# Altium PCB sinking-clock_Brain-PCB_RigFlex-test.PcbDoc
Units mm, origin at the board's own origin, x right, y up, seen from the top; angles counter-clockwise.
Board outline 129.71 x 89 mm, 2 copper layers (Top Layer, Bottom Layer); 72 components, 38 nets, 225 pads, 55 vias.
Unrouted connection lines stored in the file: 1.
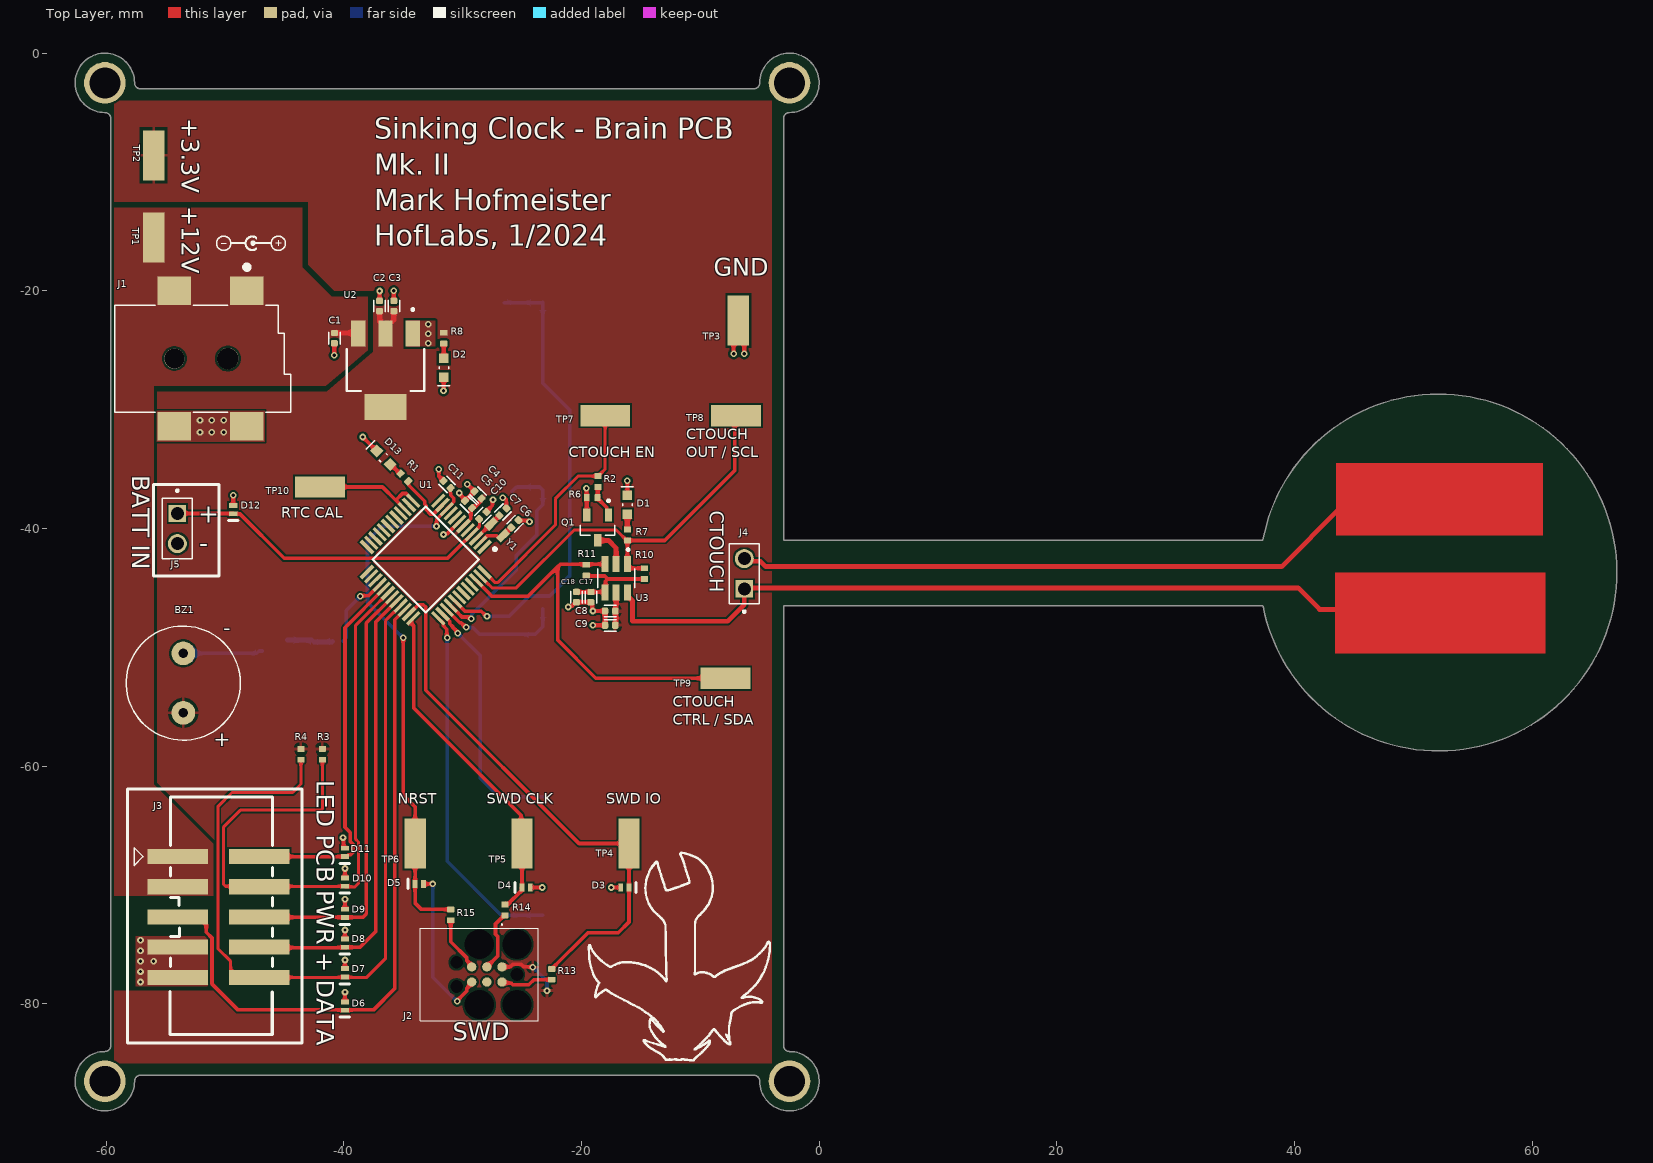
[diagram p0: Top Layer view]
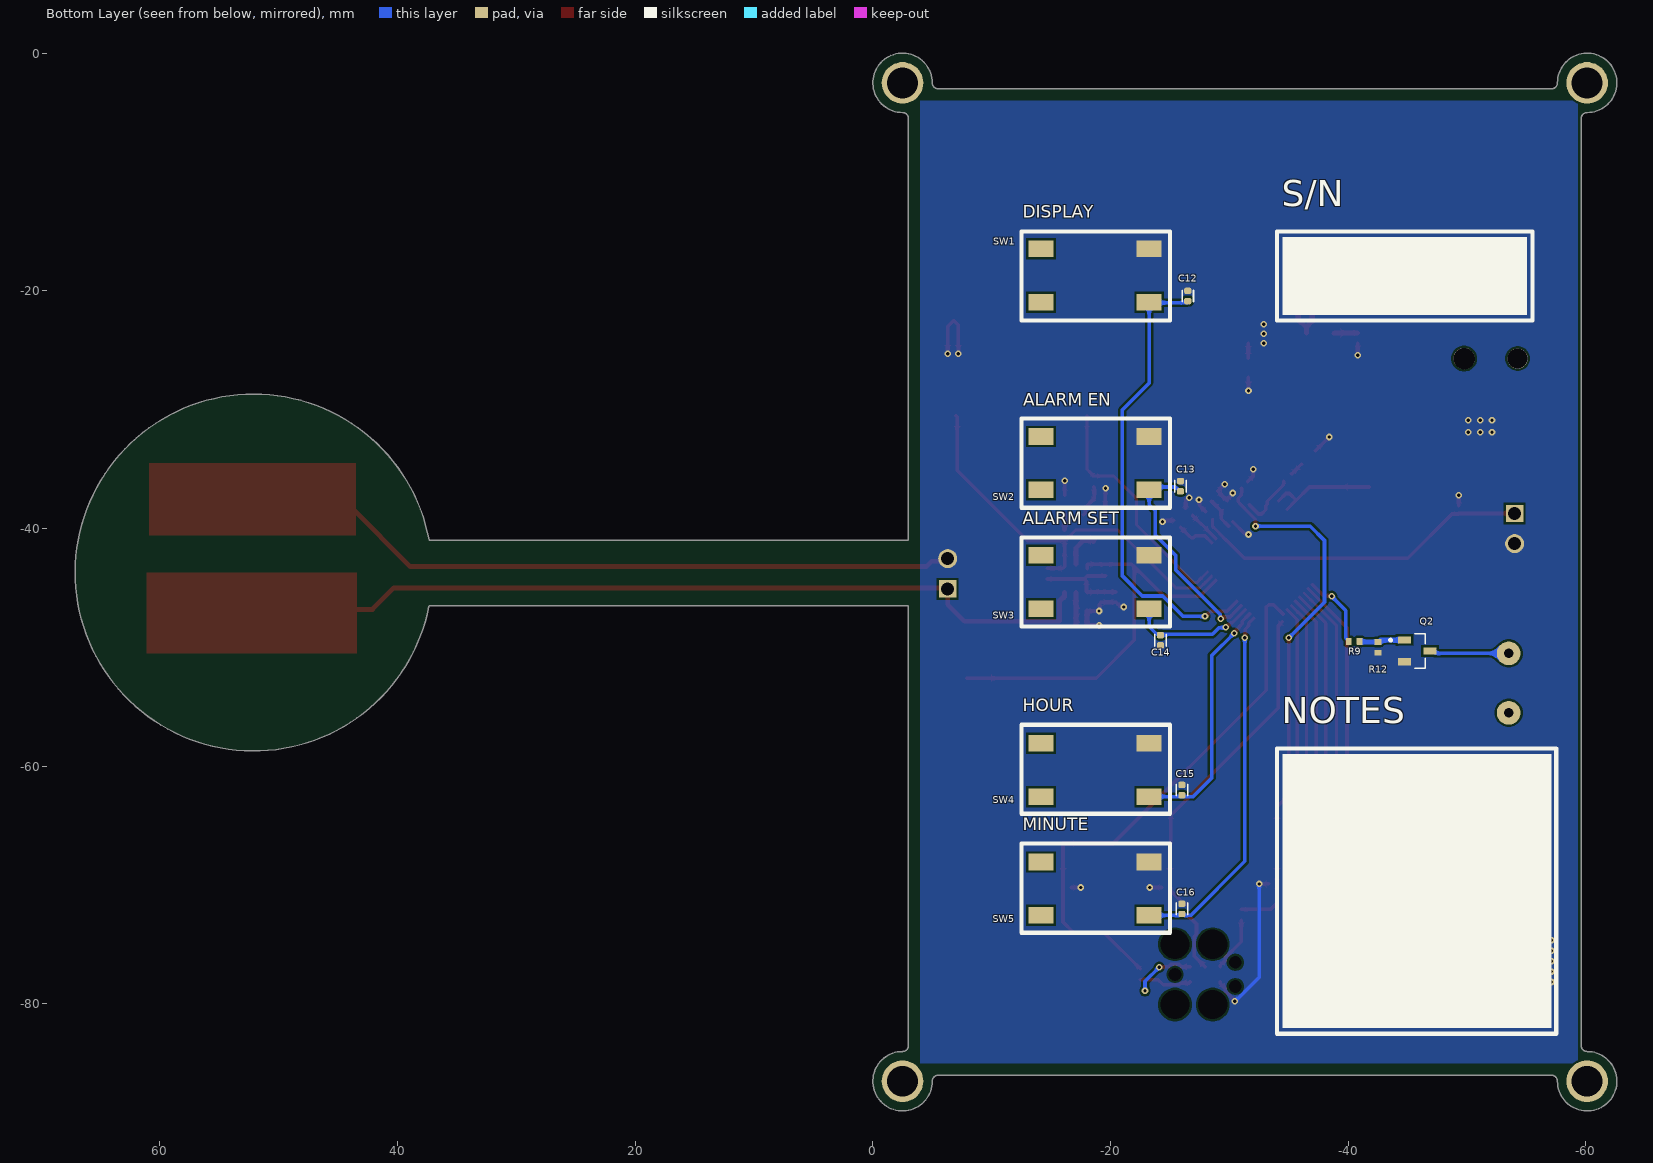
[diagram p1: Bottom Layer view, seen from below]
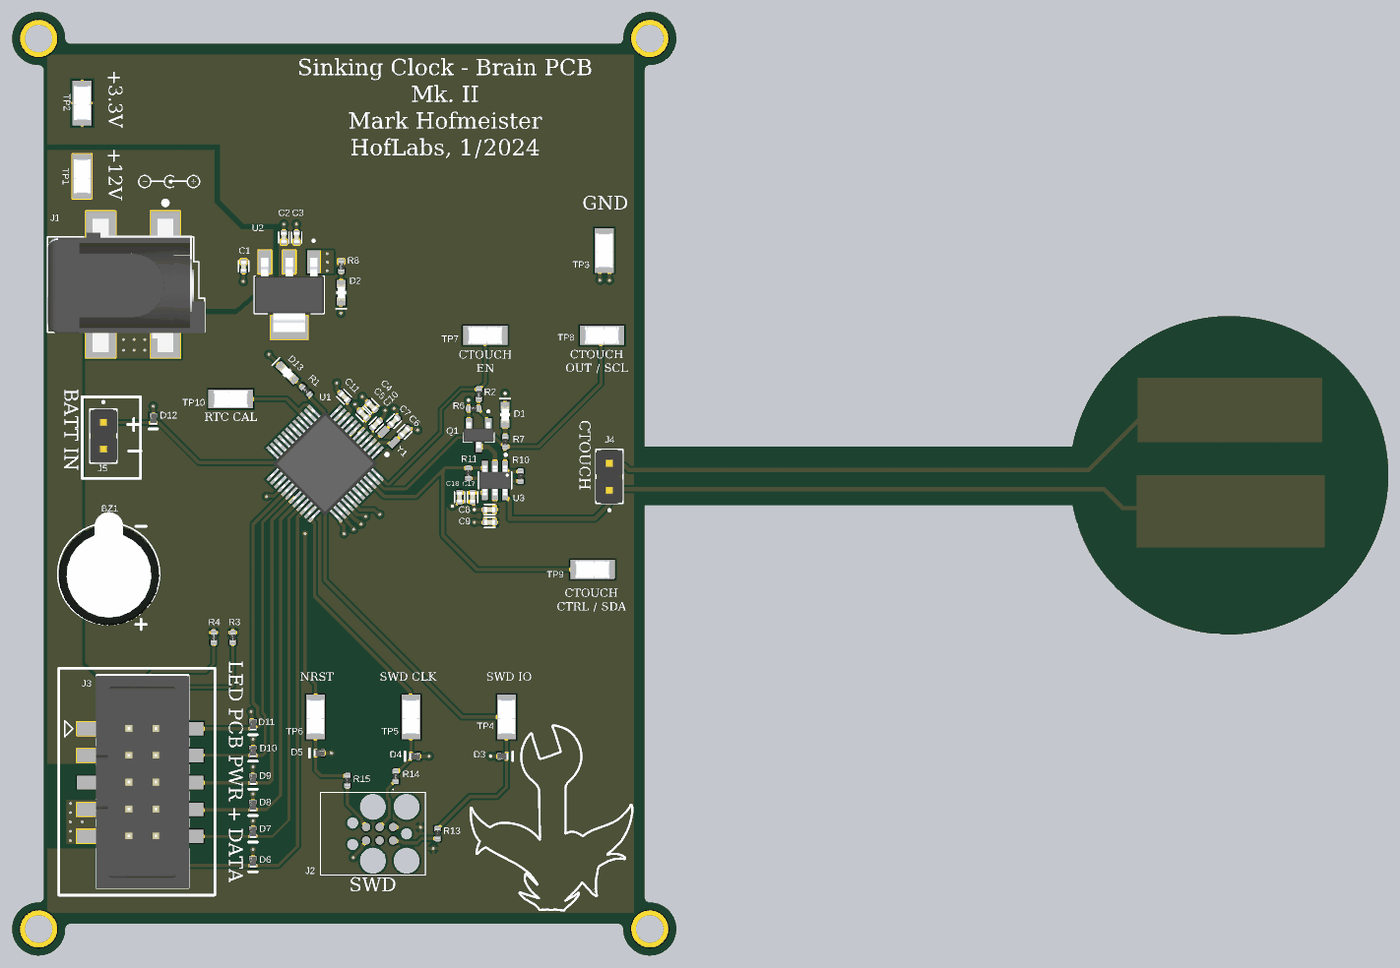
[diagram p2: 3D render of the assembled board from above, using the file's embedded part models]
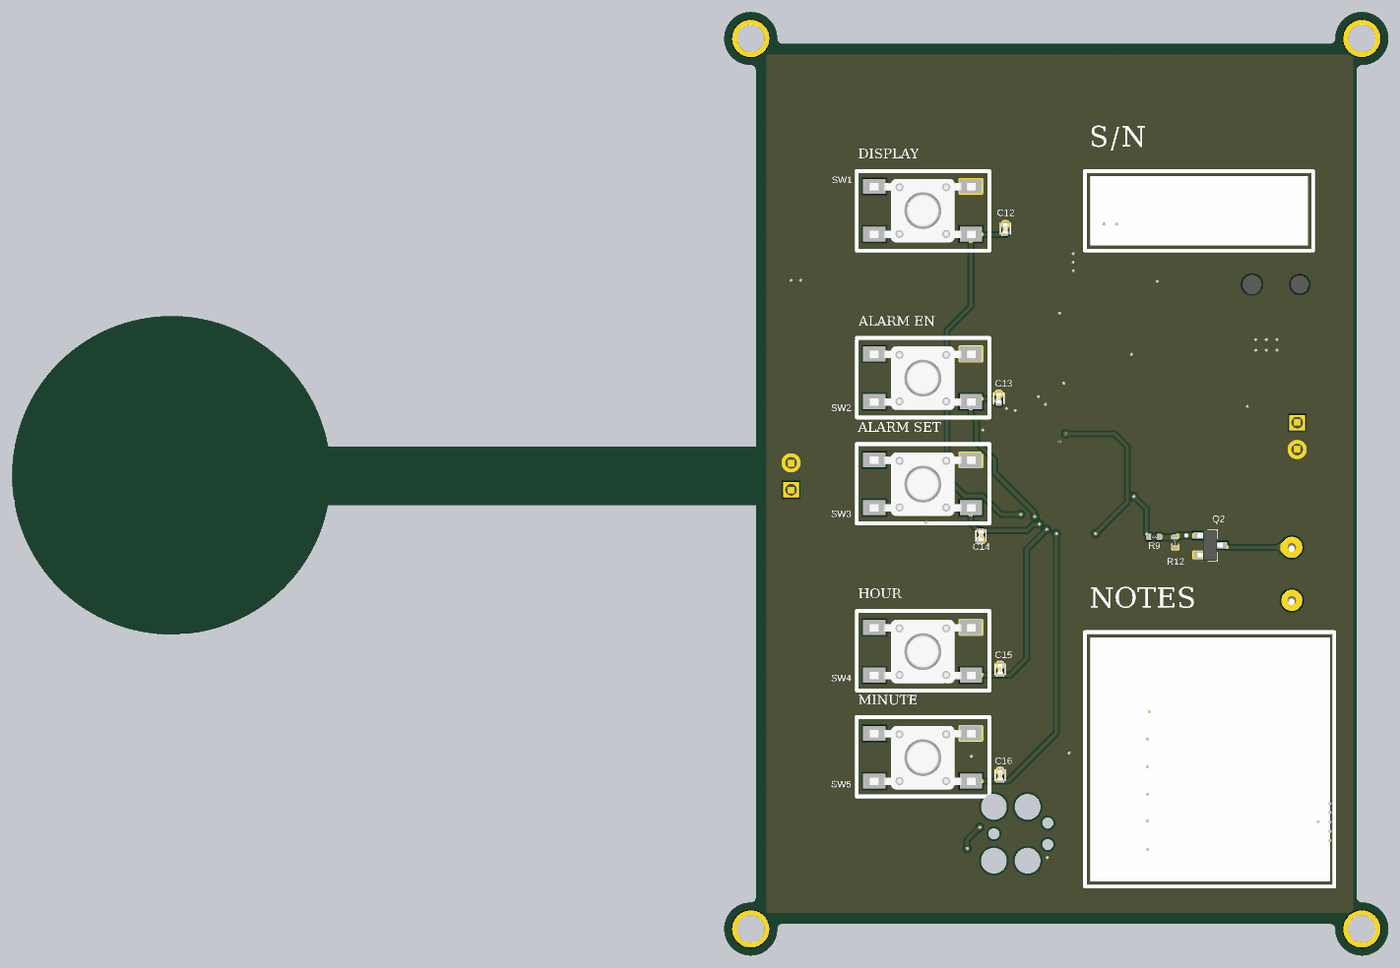
[diagram p3: 3D render of the assembled board from below, using the file's embedded part models]

## Layer stack, top to bottom
Flex Top Coverlay: solder mask 0.0254, SM-001, Dk 4
Flex Top Coverlay: solder mask 0.012, FC-001, Dk 4
Top Layer: signal copper 0.0356
Dielectric 1: dielectric 0.32, FR-4, Dk 4.8
Bottom Layer: signal copper 0.0356
Board Layer Stack Bottom Solder: solder mask 0.012, FC-001, Dk 4
Board Layer Stack Bottom Solder: solder mask 0.0254, SM-001, Dk 4

## Board outline
-60.1,-84 ccw(c-60.1,-86.5) -57.6,-86.5 cw(c-57.1,-86.5) -57.1,-86 -5.5,-86 cw(c-5.5,-86.5) -5,-86.5 ccw(c-2.5,-86.5) -2.5,-84 cw(c-2.5,-83.5) -3,-83.5 -3,-46.5 37.297,-46.5 37.362,-46.565 ccw(c52.1,-43.7) 37.337,-40.964 37.301,-41 -3,-41 -3,-5.5 cw(c-2.5,-5.5) -2.5,-5 ccw(c-2.5,-2.5) -5,-2.5 cw(c-5.5,-2.5) -5.5,-3 -57.1,-3 cw(c-57.1,-2.5) -57.6,-2.5 ccw(c-60.1,-2.5) -60.1,-5 cw(c-60.1,-5.5) -59.6,-5.5 -59.6,-83.5 cw(c-60.1,-83.5)
board region Flex: -2.9,-41 37.301,-41 37.337,-40.964 37.45,-40.358 37.773,-39.168 38.193,-38.009 38.706,-36.889 39.309,-35.814 39.999,-34.792 40.769,-33.83 41.616,-32.934 42.534,-32.111 43.516,-31.366 44.556,-30.704 45.646,-30.13 46.78,-29.646 47.95,-29.258 49.148,-28.966 50.365,-28.774 51.595,-28.682 52.827,-28.691 54.055,-28.801 55.27,-29.011 56.463,-29.321 57.627,-29.727 58.753,-30.227 59.835,-30.817 60.865,-31.495 61.836,-32.254 62.742,-33.091 63.575,-33.999 64.332,-34.972 65.006,-36.004 65.593,-37.087 66.09,-38.216 66.493,-39.381 66.798,-40.575 67.005,-41.79 67.111,-43.018 67.117,-44.251 67.021,-45.48 66.825,-46.697 66.53,-47.894 66.137,-49.062 65.651,-50.195 65.073,-51.283 64.408,-52.321 63.66,-53.301 62.834,-54.216 61.936,-55.06 60.971,-55.828 59.948,-56.515 58.871,-57.115 57.749,-57.625 56.588,-58.041 55.398,-58.36 54.185,-58.581 52.958,-58.702 51.726,-58.722 50.496,-58.641 49.277,-58.459 48.076,-58.178 46.903,-57.799 45.765,-57.326 44.67,-56.761 43.624,-56.108 42.636,-55.372 41.711,-54.557 40.856,-53.669 40.077,-52.713 39.378,-51.698 38.766,-50.628 38.243,-49.512 37.813,-48.356 37.479,-47.17 37.362,-46.565 37.297,-46.5 -2.9,-46.5
board region "Layer Stack Region 1": -2.9,-46.5 -3,-46.5 -3,-83.5 -2.99,-83.598 -2.916,-83.778 -2.778,-83.916 -2.598,-83.99 -2.5,-84 -2.254,-84 -1.771,-84.096 -1.316,-84.285 -0.906,-84.558 -0.558,-84.906 -0.285,-85.316 -0.096,-85.771 0,-86.254 0,-86.746 -0.096,-87.229 -0.285,-87.684 -0.558,-88.094 -0.906,-88.442 -1.316,-88.715 -1.771,-88.904 -2.254,-89 -2.746,-89 -3.229,-88.904 -3.684,-88.715 -4.094,-88.442 -4.442,-88.094 -4.715,-87.684 -4.904,-87.229 -5,-86.746 -5,-86.5 -5.01,-86.402 -5.084,-86.222 -5.222,-86.084 -5.402,-86.01 -5.5,-86 -57.1,-86 -57.198,-86.01 -57.378,-86.084 -57.516,-86.222 -57.59,-86.402 -57.6,-86.5 -57.6,-86.746 -57.696,-87.229 -57.885,-87.684 -58.158,-88.094 -58.506,-88.442 -58.916,-88.715 -59.371,-88.904 -59.854,-89 -60.346,-89 -60.829,-88.904 -61.284,-88.715 -61.694,-88.442 -62.042,-88.094 -62.315,-87.684 -62.504,-87.229 -62.6,-86.746 -62.6,-86.254 -62.504,-85.771 -62.315,-85.316 -62.042,-84.906 -61.694,-84.558 -61.284,-84.285 -60.829,-84.096 -60.346,-84 -60.1,-84 -60.002,-83.99 -59.822,-83.916 -59.684,-83.778 -59.61,-83.598 -59.6,-83.5 -59.6,-5.5 -59.61,-5.402 -59.684,-5.222 -59.822,-5.084 -60.002,-5.01 -60.1,-5 -60.346,-5 -60.829,-4.904 -61.284,-4.715 -61.694,-4.442 -62.042,-4.094 -62.315,-3.684 -62.504,-3.229 -62.6,-2.746 -62.6,-2.254 -62.504,-1.771 -62.315,-1.316 -62.042,-0.906 -61.694,-0.558 -61.284,-0.285 -60.829,-0.096 -60.346,0 -59.854,0 -59.371,-0.096 -58.916,-0.285 -58.506,-0.558 -58.158,-0.906 -57.885,-1.316 -57.696,-1.771 -57.6,-2.254 -57.6,-2.5 -57.59,-2.598 -57.516,-2.778 -57.378,-2.916 -57.198,-2.99 -57.1,-3 -5.5,-3 -5.402,-2.99 -5.222,-2.916 -5.084,-2.778 -5.01,-2.598 -5,-2.5 -5,-2.254 -4.904,-1.771 -4.715,-1.316 -4.442,-0.906 -4.094,-0.558 -3.684,-0.285 -3.229,-0.096 -2.746,0 -2.254,0 -1.771,-0.096 -1.316,-0.285 -0.906,-0.558 -0.558,-0.906 -0.285,-1.316 -0.096,-1.771 0,-2.254 0,-2.746 -0.096,-3.229 -0.285,-3.684 -0.558,-4.094 -0.906,-4.442 -1.316,-4.715 -1.771,-4.904 -2.254,-5 -2.5,-5 -2.598,-5.01 -2.778,-5.084 -2.916,-5.222 -2.99,-5.402 -3,-5.5 -3,-41 -2.9,-41

## Design rules (kind name [scope] priority, off if disabled: settings)
Clearance [All] p1: gap=0.178 ignorepadtopadclearanceinfootprint=FALSE except(0: Arc-Hole Track-Hole SMDPad-Hole THPad-Hole Via-Hole Fill-Hole Poly-Hole Region-Hole Text-Hole)
DiffPairsRouting [All] p1: maxlimit=0.254 minlimit=0.254 mostfreqgap=0.254 toplayer_minwidth=0.381 toplayer_maxwidth=0.381 toplayer_prefwidth=0.381 bottomlayer_minwidth=0.381 bottomlayer_maxwidth=0.381 bottomlayer_prefwidth=0.381 substack1={4D9DF745-3586-4407-82A4-C146782F3BE7} toplayer_{4d9df745-3586-4407-82a4-c146782f3be7}_minwidth=0.381 toplayer_{4d9df745-3586-4407-82a4-c146782f3be7}_maxwidth=0.381 toplayer_{4d9df745-3586-4407-82a4-c146782f3be7}_prefwidth=0.381 bottomlayer_{4d9df745-3586-4407-82a4-c146782f3be7}_minwidth=0.381 bottomlayer_{4d9df745-3586-4407-82a4-c146782f3be7}_maxwidth=0.381 bottomlayer_{4d9df745-3586-4407-82a4-c146782f3be7}_prefwidth=0.381 maxuncoupledlength=12.7
HoleSize [All] p1: absolutevalues=TRUE maxlimit=2.7 minlimit=0.152 maxpercent=80.000 minpercent=20.000
MinimumSolderMaskSliver [All] p1: minsoldermaskwidth=0.025
PolygonConnect PolygonConnect_3 [InNet('GND') vs InNet('GND')] p1: connectstyle=Direct reliefconductorwidth=0.254 reliefentries=4 polygonreliefangle="90 Angle" airgapwidth=0.254
PolygonConnect PolygonConnect_2 [InNet('+12')] p2: connectstyle=Direct reliefconductorwidth=0.254 reliefentries=4 polygonreliefangle="90 Angle" airgapwidth=0.254
PolygonConnect PolygonConnect_1 [InNet('VCC') vs InComponent('U2') OR InComponent('R8') OR InComponent('C2') OR InComponent('C3')] p3: connectstyle=Direct reliefconductorwidth=0.254 reliefentries=4 polygonreliefangle="90 Angle" airgapwidth=0.254
PolygonConnect [All] p4: connectstyle=Relief reliefconductorwidth=0.254 reliefentries=4 polygonreliefangle="90 Angle" airgapwidth=0.254
RoomDefinition PWR [InComponentClass('PWR')] p1: confinementstyle=ConfineIn formatcopy=TRUE lockcomponents=FALSE outline -59.779,-33.129 -59.779,-17.356 -57.329,-17.356 -57.329,-12.871 -57.329,-5.971 -54.671,-5.971 -54.671,-12.871 -54.671,-17.356 -43.921,-17.356 -43.921,-20.145 -34.966,-20.145 -34.966,-21.12 -32.706,-21.12 -32.706,-22.745 -30.756,-22.745 -30.756,-24.745 -30.656,-24.745 -30.656,-70.861 -25.616,-70.861 -21.671,-70.861 -21.671,-76.271 -21.671,-78.729 -23.329,-78.729 -23.329,-73.729 -31.829,-73.729 -31.829,-50.329 -41.729,-50.329 -41.729,-33.129
RoomDefinition CTOUCH [InComponentClass('CTOUCH')] p2: confinementstyle=ConfineIn formatcopy=TRUE lockcomponents=FALSE outline -21.248,-46.893 -21.248,-44.635 -20.629,-44.635 -20.629,-29.171 -4.371,-29.171 -4.371,-31.829 -4.501,-31.829 -4.501,-47.444 -5.261,-47.444 -5.261,-53.919 -10.519,-53.919 -10.519,-48.959 -18.714,-48.959 -18.714,-46.899 -20.019,-46.899 -20.019,-46.893
RoutingVias [All] p1: holewidth=0.279 width=0.559 viastyle="Through Hole" minholewidth=0.203 minwidth=0.406 maxholewidth=0.711 maxwidth=1.27
SilkToSolderMaskClearance [IsPad] p1: minsilkscreentomaskgap=0.1 clearancetoexposedcopper=TRUE
SolderMaskExpansion [All] p1: expansion=0.102 istentingtop=FALSE
UnRoutedNet [All] p1: checkbadconnections=TRUE
Width [All] p1: maxlimit=1.27 minlimit=0.152 preferedwidth=0.305 substack1={4D9DF745-3586-4407-82A4-C146782F3BE7} minimp=50.000000 maximp=50.000000 favimp=50.000000
25 further rules are at their usual default settings.

## Classes and differential pairs
component class PWR: C1 C2 C3 D2 D13 J1 R1 R8 R9 R13 R14 R15 TP1 TP2 U2
component class CTOUCH: TP7 TP8 TP9
component class Brain-PCB_Master_RigFlex-test: BZ1 C1 C2 C3 C4 C5 C6 C7 C8 C9 C10 C11 C12 C13 C14 C15 C16 D2 D3 D4 D5 D6 D7 D8 D9 D10 D11 D12 D13 J1 J2 J3 J5 Q1 Q2 R1 R2 R3 R4 R6 R7 R8 R9 R10 R11 R12 R13 R14 R15 SW1 SW2 SW3 SW4 SW5 TP1 TP2 TP3 TP4 TP5 TP6 TP7 TP8 TP9 TP10 U1 U2 U3 Y1

## Components (designator, comment, footprint, x,y, rotation, side; value= is the part's Value field where it differs from the comment)
BZ1 "CMI-9605IC-0380T" CUI_CMI-9605IC-0380T -53.5,-53 r180 top
C1 "CAP" 0402C -40.785,-23.974 r90 top value=10uF
C2 "CAP" 0402C -36.985,-21.274 r270 top value=10uF
C3 "CAP" 0402C -35.785,-21.274 r270 top value=10uF
C4 "CAP" 0402C -28.704,-37.169 r315 top value=4.7uF
C5 "CAP" 0402C -29.504,-37.969 r315 top value=0.1uF
C6 "CAP" 0402C -25.6,-39.6 r225 top value=4pF
C7 "CAP" 0402C -26.6,-38.6 r225 top value=4pF
C8 "CAP" 0402C -17.585,-46.94 r0 top value=100pF
C9 "CAP" 0402C -17.585,-48.14 r0 top value=0.1uF
C10 "CAP" 0402C -28.3,-38.9 r225 top value=4.7uF
C11 "CAP" 0402C -31.309,-36.293 r315 top value=0.1uF
C12 "CAP" 0402C -26.5,-20.43 r270 bottom value=0.1uF
C13 "CAP" 0402C -25.879,-36.439 r270 bottom value=0.1uF
C14 "CAP" 0402C -24.2,-49.4 r90 bottom value=0.1uF
C15 "CAP" 0402C -26,-62 r270 bottom value=0.1uF
C16 "CAP" 0402C -26,-72 r270 bottom value=0.1uF
C17 "CAP" 0402C -19.2,-45.77 r90 top value=100pF
C18 "CAP" 0402C -20.429,-45.764 r90 top value=4.7uF
D1 "LED - single" "LED - 0603" -16.135,-37.99 r90 top
D2 "LED - single" "LED - 0603" -31.585,-26.474 r270 top
D3 "7V" DESD3V3S1BL-7B -16.025,-70.2 r180 top
D4 "7V" DESD3V3S1BL-7B -24.975,-70.2 r0 top
D5 "7V" DESD3V3S1BL-7B -33.975,-69.9 r0 top
D6 "7V" DESD3V3S1BL-7B -39.9,-80.5 r90 top
D7 "7V" DESD3V3S1BL-7B -39.9,-77.7 r90 top
D8 "7V" DESD3V3S1BL-7B -39.9,-75.2 r90 top
D9 "7V" DESD3V3S1BL-7B -39.9,-72.705 r90 top
D10 "7V" DESD3V3S1BL-7B -39.9,-70.075 r90 top
D11 "7V" DESD3V3S1BL-7B -39.9,-67.575 r90 top
D12 "7V" DESD3V3S1BL-7B -49.3,-38.73 r90 top
D13 "LED - single" "LED - 0603" -36.666,-34.034 r135 top
J1 "PJ-002BH-SMT-TR" PJ-002BH-SMT-TR -48.15,-20 r0 top
J2 "TC2030-IDC" "TAG CONNECT TC2030IDC - NO 3D MODEL" -27.643,-77.516 r180 top
J3 "5x2, 0.1' pitch SMT header" "5x2, 0.1' pitch SMT header" -50.529,-72.68 r270 top
J4 "2-pin connector" "2-pos, 0.1\" TH header" -6.3,-43.8 r90 top value=DNS
J5 "2-pin connector" "2-pos, 0.1\" TH header" -54,-40 r270 top value=DNS
Q1 "NMOS" SOT-23 -18.635,-39.915 r270 top
Q2 "NMOS" SOT-23 -45.81,-50.3 r180 bottom
R1 "RES" 0402R -34.9,-35.7 r135 top value=56
R2 "RES" 0402R -18.6,-36.045 r90 top value=4.7k
R3 "RES" 0402R -41.8,-59 r90 top value=10k
R4 "RES" 0402R -43.6,-59 r90 top value=10k
R6 "RES" 0402R -19.1,-37.4 r0 top value=10k
R7 "RES" 0402R -16.135,-40.545 r270 top value=4.7k
R8 "RES" 0402R -31.585,-23.974 r90 top value=56
R9 "RES" 0402R -40.5,-49.5 r0 bottom value=56
R10 "RES" 0402R -14.69,-43.79 r270 top value=4.7k
R11 "RES" 0402R -19.6,-43.5 r270 top value=4.7k
R12 "RES" 0402R -42.5,-50 r90 bottom value=10k